# KiCad board microcyte_panel.kicad_pcb (continued)
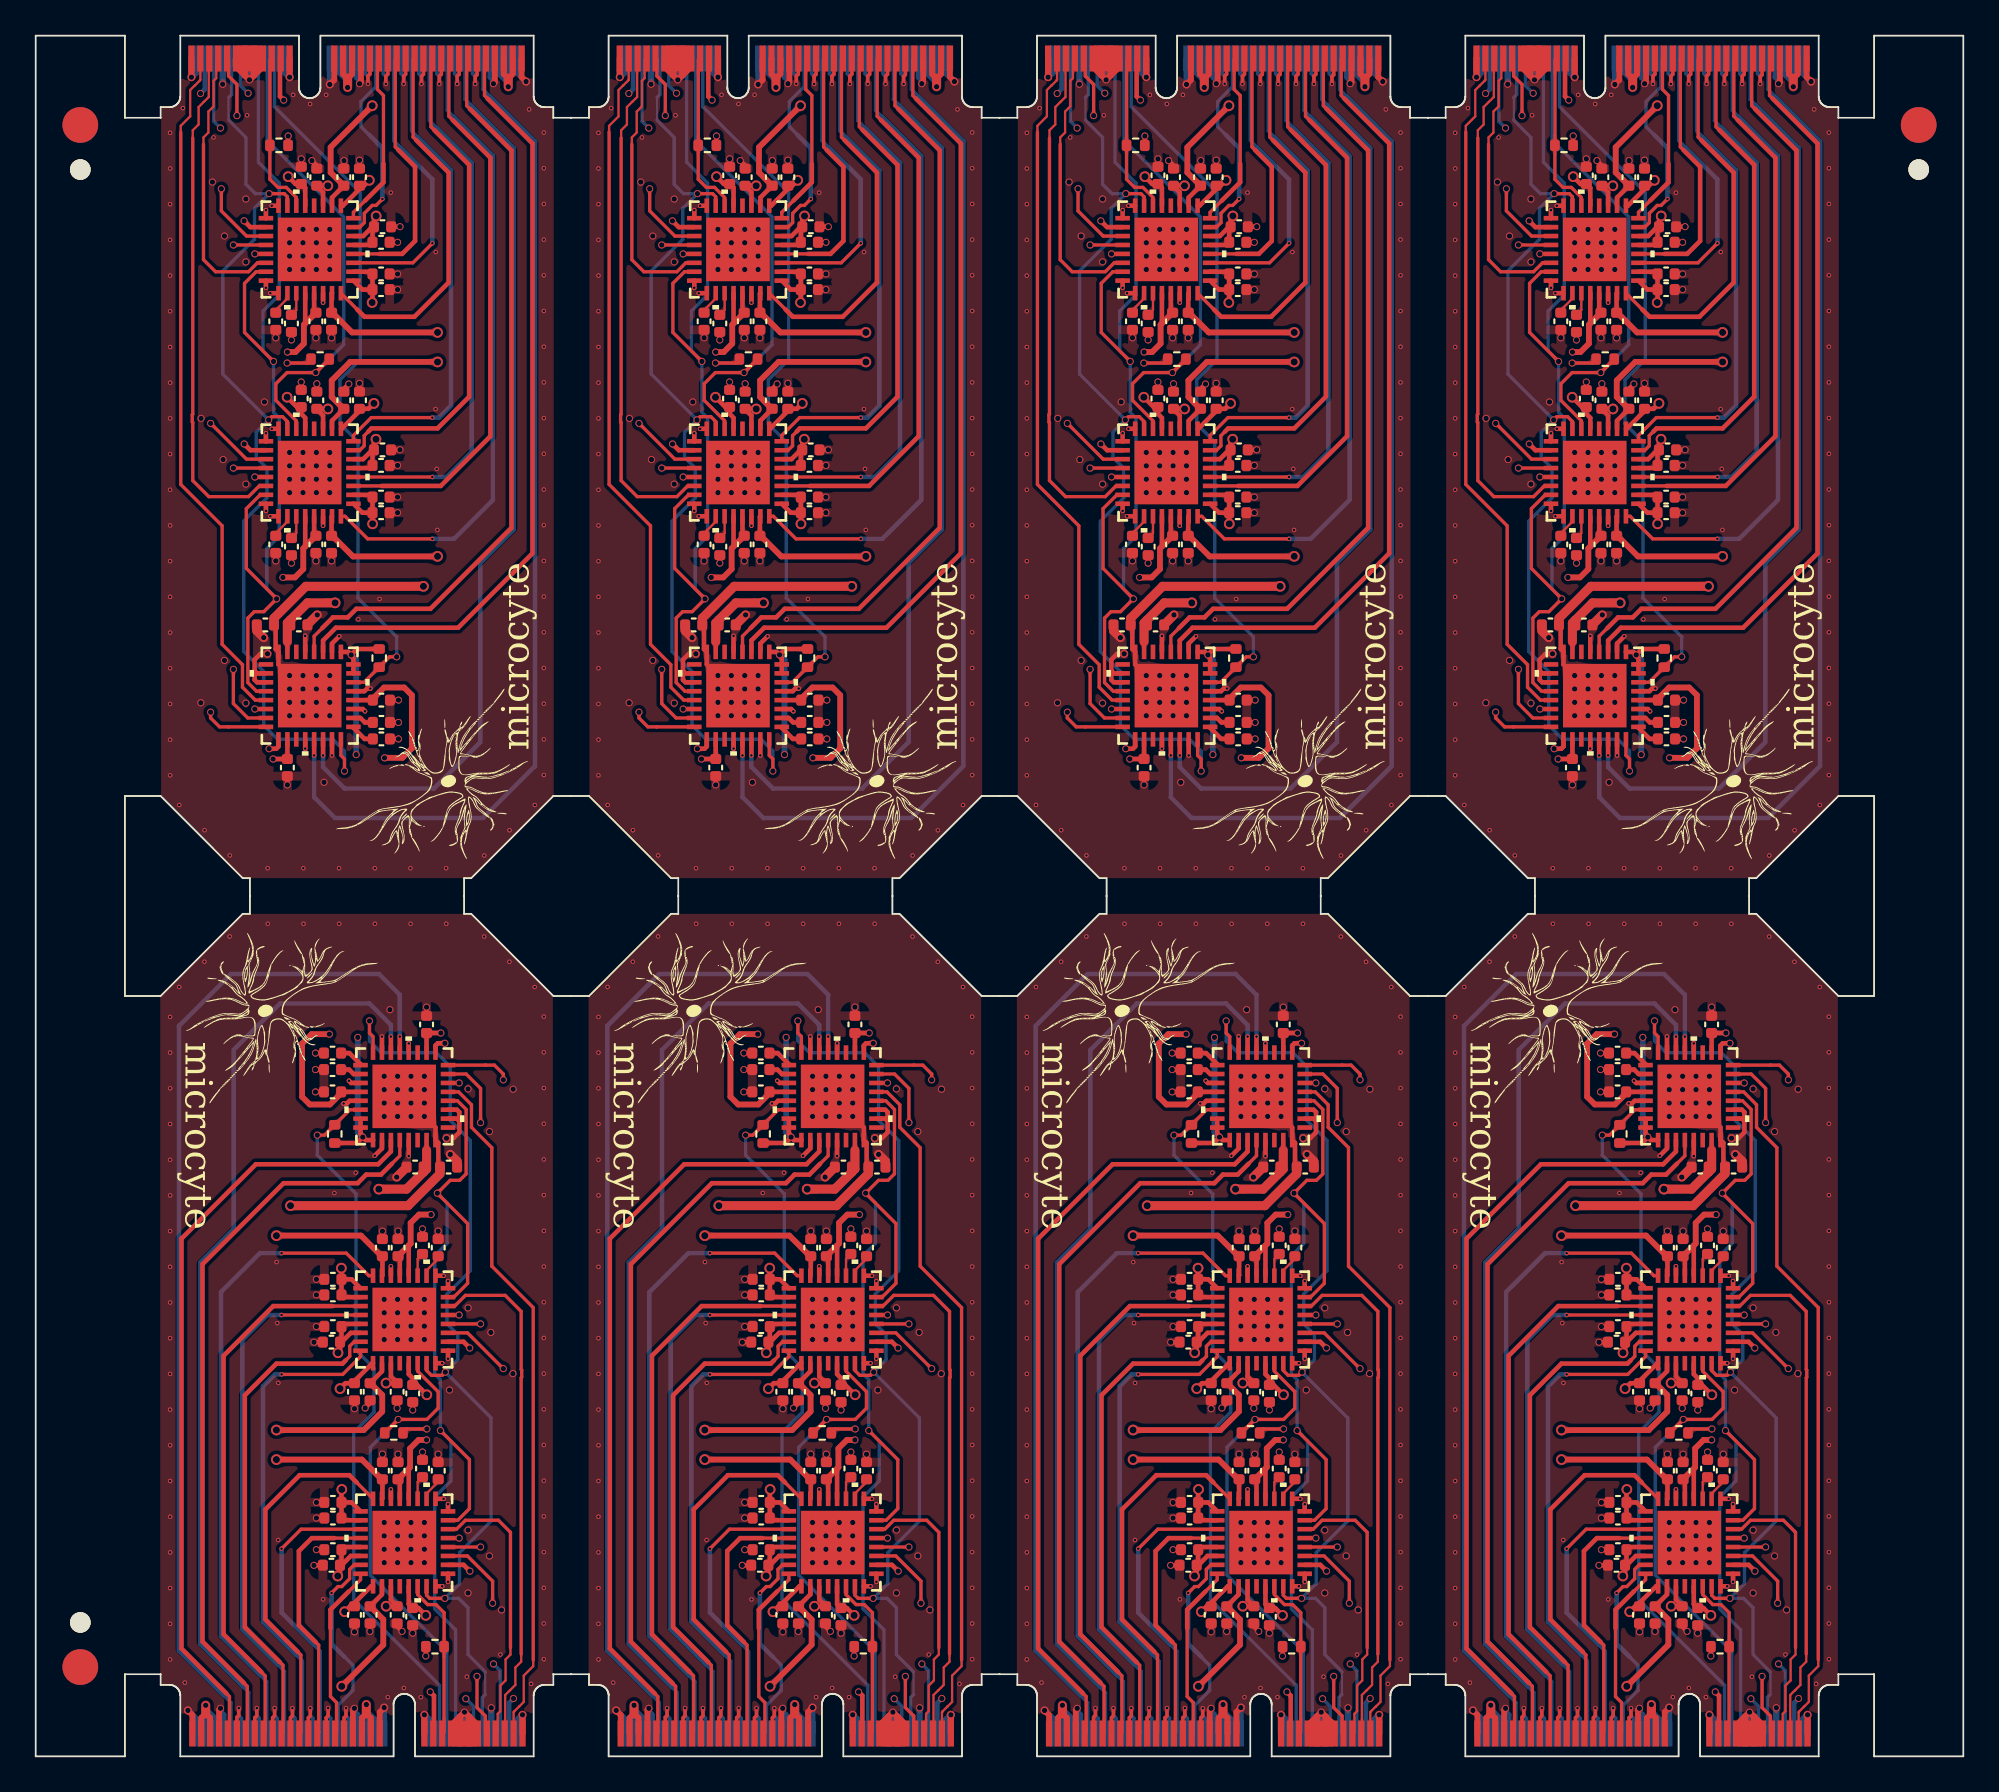
[diagram p0: board, top side]
## Routing (per net, layer and track width the routed paths; a pad name or vN(x,y) marks a point on that pad's centre or on a via; arc(x,y) is an arc through that point) (continued)
Board_0-I2: length 14.5
  Top w0.186: 20.33,89.99 20.15,90.17 20.15,95.05 J1#6.47 ; U1#8.20 19.28,84.18
  Top w0.254: 19.28,84.18 20.53,84.18 21.26,84.9 21.26,89.06 20.33,89.99
Board_0-I3: length 16.2
  Top w0.186: v4(22.23,84.77) 21.13,83.68 U1#8.19
  Bottom w0.186: 20.43,90.15 20.06,90.52 20.06,95.05 J1#6.46
  Bottom w0.254: v4(22.23,84.77) 22.23,88.35 20.43,90.15
Board_0-I4: length 20.8
  Top w0.186: 21.33,90.54 21.15,90.72 21.15,95.05 J1#6.51 ; 18.02,81.05 U1#8.16
  Top w0.254: 18.02,81.05 18.42,80.65 21.22,80.65 23.14,82.57 23.14,88.73 21.33,90.54
Board_0-I5: length 26.9
  Top w0.186: v4(22.23,75) 18.8,75 17.8,74 U2#8.24
  Bottom w0.186: J1#6.50 21.06,95.05 21.06,91.07 21.41,90.72
  Bottom w0.254: 21.41,90.72 23.27,88.86 23.27,75.67 22.6,75 v4(22.23,75)
Board_0-I6: length 27.9
  Top w0.186: 22.33,91.12 22.15,91.3 22.15,95.05 J1#6.55 ; U2#8.23 18.16,73.18 18.41,73.42 18.41,73.99 18.64,74.23
  Top w0.254: 22.33,91.12 24.29,89.16 24.29,76.17 22.52,74.4 18.82,74.4 18.64,74.23
Board_0-I7: length 30.3
  Top w0.186: v4(22.23,71.68) U2#8.20
  Bottom w0.186: 22.44,91.27 22.06,91.65 22.06,95.05 J1#6.54
  Bottom w0.254: v4(22.23,71.68) 23.02,71.68 24.43,73.08 24.43,89.28 22.44,91.27
Board_0-I8: length 31
  Top w0.186: 23.37,91.67 23.15,91.89 23.15,95.05 J1#6.59 ; U2#8.19 19.39,71.17
  Top w0.254: 23.37,91.67 25.48,89.56 25.48,73.96 22.69,71.17 19.39,71.17
Board_0-I9: length 35.8
  Top w0.186: U2#8.16 17.33,69.47 18.6,68.21 v4(22.23,68.21)
  Bottom w0.186: 23.4,91.88 23.06,92.22 23.06,95.05 J1#6.58
  Bottom w0.254: 23.4,91.88 25.62,89.66 25.62,70.39 23.44,68.21 v4(22.23,68.21)
Board_0-LDAC: length 52.6
  Top w0.186: U3#7.12 12.37,59.68 11.89,60.16 11.89,63.77 12.25,64.13 12.78,64.13 v2(13.5,64.85) 13.5,64.86 11.8,66.56 11.8,69.9 12.58,70.68 U2#8.7 ; v2(13.33,78.15) 11.7,79.78 11.7,82.53 12.35,83.18 U1#8.7
  Bottom w0.186: v2(13.5,64.85) 12.95,65.4 12.95,67.66 13.65,68.35 13.65,74.98 13.33,75.3 v2(13.33,78.15) 12.74,78.74 12.74,80.97 13.65,81.88 13.65,88.14 12.48,89.31 J1#6.16
Board_0-MISO: length 42.3
  Top w0.186: v2(11.28,91.92) 11.28,93.67 10.81,94.14 10.81,95.05 J1#6.9 ; v2(11.08,72.18) U2#8.4 ; U3#7.15 11.88,58.18 11.08,58.98 v2(11.08,60.9) ; v2(11.08,84.68) U1#8.4
  In3.Cu w0.186: v2(11.28,91.92) 11.28,87.15 11.08,86.95 v2(11.08,84.68) v2(11.08,72.18) v2(11.08,60.9)
Board_0-MOSI: length 48.9
  Top w0.186: U2#8.3 11.81,72.68 9.81,74.68 v2(9.8,74.68) ; U1#8.3 11.81,85.18 10.4,86.59 v2(10.4,87.83) ; U3#7.16 10.3,57.68 9.8,58.18 v2(9.8,58.5)
  In3.Cu w0.186: v2(10.35,91.23) 10.4,91.18 10.4,87.83 v2(10.4,87.83) 9.8,87.23 v2(9.8,74.68) v2(9.8,58.5)
  Bottom w0.186: J1#6.6 9.98,91.6 v2(10.35,91.23)
Board_0-Net-(U1-REF): length 1.4
  Top w0.127: U1#8.10 14.1,81.68 13.45,81.03 C3.1
Board_0-Net-(U1-REFCOMP): length 1.3
  Top w0.127: U1#8.11 14.6,81.03 C4#7.1
Board_0-Net-(U2-REF): length 1.4
  Top w0.127: U2#8.10 14.1,69.18 13.45,68.53 C5#6.1
Board_0-Net-(U2-REFCOMP): length 1.3
  Top w0.127: C6#2.1 14.6,68.53 U2#8.11
Board_0-Net-(U3-REF): length 1.4
  Top w0.254: U3#7.25 17.8,57.62 18.43,57 C1#8.1
Board_0-Net-(U3-REFCOMP): length 1.2
  Top w0.254: U3#7.26 18.19,58.18 18.44,57.92 C2#4.1
Board_0-SCLK: length 38.7
  Top w0.186: v2(12.28,71.67) 12.9,71.67 ; v2(12.28,58.67) U3#7.14 ; U1#8.5 v2(12.28,84.18)
  In3.Cu w0.186: v2(12.28,58.67) v2(12.28,71.67) v2(12.28,84.18) 12.28,92.8 v2(11.9,93.18)
  Bottom w0.186: J1#6.12 11.48,93.6 v2(11.9,93.18)
Board_0-SS1: length 15.7
  Top w0.127: 9.4,90.31 9.4,90.7 9.68,90.98 9.68,92.15 9.97,92.44 9.97,93.87 10.12,94.02 10.12,95.02 J1#6.7
  Top w0.186: 9.4,90.31 9.4,83.85 10.08,83.18 11.93,83.18 12.43,83.67 U1#8.6 ; 10.15,95.05 J1#6.7
Board_0-SS2: length 28.8
  Top w0.127: J1#6.5 9.7,95.1 9.7,92.97 9.43,92.7 9.42,92.7 9.13,92.4 9.13,91.43 8.8,91.1 8.8,90.66
  Top w0.186: U2#8.6 12.53,71.17 11.93,70.58 9.7,70.58 8.8,71.48 8.8,74.73 8.77,74.76 8.77,75.16 8.8,75.19 8.8,90.66
Board_0-SS3: length 38.7
  Top w0.127: J1#6.3 9.23,93.93 9.19,93.89 9.19,93.88 8.92,93.61 8.91,93.61 8.66,93.36 8.66,91.88 8.13,91.35 8.13,90.99
  Top w0.186: 8.13,90.99 8.13,71.26 10.45,68.94 10.45,62.3 11.59,61.16 11.59,59.9 12.31,59.18 U3#7.13
Board_0-TEMP: length 40.4
  Top w0.186: v2(20.23,61.6) 19.83,61.6 R5.2 18.4,60.18 U3#7.30
  Bottom w0.127: 13.38,95.03 J1#6.20
  Bottom w0.186: v2(20.23,61.6) 20.23,62.72 18.06,64.89 18.06,73.64 17.05,74.65 17.05,77.12 18.19,78.26 18.19,87.61 13.38,92.42 13.38,95.03
Board_0-Vb0: length 43.3
  Top w0.186: 25.33,92.87 25.15,93.05 25.15,95.05 J1#6.67
  Top w0.254: 25.33,92.87 27.84,90.36 27.84,67.4 23.67,63.23 16.82,63.23 16.1,62.52 U3#7.3
Board_0-Vb1: length 41.8
  Top w0.186: 24.34,92.29 24.15,92.48 24.15,95.05 J1#6.63 ; 16.06,63.21 15.6,62.76 U3#7.4
  Top w0.254: 24.34,92.29 26.66,89.97 26.66,68.83 22.12,64.29 17.97,64.29 17.49,63.81 16.66,63.81 16.06,63.21
Board_0-Vb2: length 58.2
  Top w0.254: U3#7.21 v4(15.6,56.07)
  Bottom w0.186: 25.45,93.01 25.06,93.4 25.06,95.05 J1#6.66
  Bottom w0.254: 25.45,93.01 27.98,90.48 27.98,55.48 25.07,52.57 16.77,52.57 15.6,53.74 v4(15.6,56.07)
Board_0-Vb3: length 52.2
  Top w0.254: U3#7.22 v4(16.1,56.07)
  Bottom w0.127: v4(16.1,56.07) 16.1,56.12
  Bottom w0.186: 24.37,92.52 24.06,92.83 24.06,95.05 J1#6.62
  Bottom w0.254: 24.37,92.52 26.78,90.11 26.78,68.73 24.91,66.86 24.91,56.82 22.31,54.22 17.31,54.22 16.1,55.43 v4(16.1,56.07)
Board_1-+5V: length 46.6
  Top w0.186: 37.71,95.11 37.73,95.12
  Top w0.2: v2(38.09,78.06) 39.21,78.06 R1#5.1 ; v2(38.15,90.78) 38.14,90.77 R3#4.1
  Top w0.254: U3#8.31 U3#8.32 41.8,61.52 41.68,61.64 v2(41.68,61.71) ; U3#8.17 37.6,56.58 37.48,56.45 v2(37.08,56.45) ; 41.1,61.88 U3#8.1 41.51,61.88 v2(41.68,61.71) ; v2(41.68,61.71) 42.01,62.04 R5#6.1 ; 41.8,59.17 C30#4.1 42.89,59.19 ; U1#7.2 36.03,85.68 v2(35.68,86.03) ; v1(38.09,76.14) 38.09,76.14 38.64,75.59 C26#4.1 38.88,75.21 39.1,74.99 U2#5.29 ; U2#5.12 39.1,67.78 ; v2(37.9,92.79) 37.69,93 37.69,95.09 37.71,95.11 ; U1#7.12 39.1,80.28 ; v2(35.68,73.53) 36.03,73.18 U2#5.2 ; 39.71,68.38 39.6,68.49 U2#5.13 ; 39.71,80.88 39.6,80.99 U1#7.13 ; U1#7.29 39.1,87.87 C16#3.1 38.55,88.09 v1(38.15,88.5) ; v2(37.3,55.88) 38.1,55.88 U3#8.18
  Top w0.325: C25#8.1 38.99,67.67 38.99,66.52 38.53,66.05 v2(37.85,66.05) ; C15#4.1 39.03,80.21 39.03,79.15 38.55,78.68 v2(38.1,78.68) ; 42.89,59.19 42.89,59.25 43.52,59.88 44.65,59.88 45.08,59.45 45.08,56.47 44.55,55.94 v2(43.55,55.94)
  Bottom w0.254: v2(33.23,93.16) 33.48,93.4 J1#8.4
  Bottom w0.325: v2(41.96,56.12) 41.96,61.43 v2(41.68,61.71)
Board_1-+10V: length 36.2
  Top w0.2: U3#8.7 38.1,62.45
  Top w0.254: 42.14,87.92 C11#7.1 42.39,88 v1(42.69,88.3) ; U1#7.21 42.72,84.68 ; C17#4.1 C18#6.1 42.75,70.68 U2#5.18 ; C17#4.1 42.3,69.68 U2#5.17 ; C17#4.1 42.87,69.06 v1(42.88,69.05) ; U2#5.27 40.1,75.13 39.73,75.5 ; U1#7.27 40.1,87.63 39.73,88 ; C7#2.1 42.87,81.47 v1(42.85,81.45) ; C7#2.1 C8#3.1 42.75,83.18 U1#7.18 ; C7#2.1 42.3,82.18 U1#7.17 ; C12#4.1 40.36,88 v1(40.37,87.99) ; C9#8.1 42.87,85.61 C10#3.1 42.95,86.23 43.03,86.3 v1(43.08,86.3) ; v1(40.37,75.49) 40.36,75.5 C22#4.1 ; U1#7.25 41.21,86.88 42.14,87.8 42.14,87.91 ; 41.8,85.18 42.35,85.17 42.87,85.69 ; v1(43.06,73.79) 43.06,73.69 42.95,73.58 C20#8.1 42.87,73.11 C19#4.1 ; U2#5.22 42.35,72.68 42.87,73.2 ; U2#5.21 42.72,72.18 42.87,72.33 ; v1(42.95,75.8) 42.65,75.5 C21#7.1 42.14,75.37 41.14,74.38 U2#5.25
  Top w0.325: 41.73,95.12 41.73,94.25 41.48,94 41.23,94.25 41.23,95.12
  Top w0.508: 38.26,63.66 38.1,63.5 38.1,62.45 ; 38.26,63.66 39.23,64.62 v1(40.78,64.62) ; 38.26,63.66 C27#4.1 ; v2(41.48,93.5) 41.48,94
  In2.Cu w0.508: v2(41.48,93.5) 41.48,93
  Bottom w0.325: J1#8.34 40.98,94.38 41.48,93.88 v2(41.48,93.5) J1#8.36
Board_1--10V: length 51.2
  Top w0.254: U2#5.15 40.58,69.45 40.58,68.38 ; U2#5.26 40.6,74.83 C23#8.1 41.25,75.5 ; U1#7.26 40.6,87.33 C13#8.1 ; v2(38.23,60.55) 37.6,61.17 U3#8.8 37.44,62.03 37.44,63.29 C28#3.1 ; U1#7.15 40.58,81.95 C14.1 40.62,80.88 ; v1(46.52,67.23) 46.51,67.23 ; 40.62,68.38 C24#2.1 ; v1(46.52,78.12) 46.51,78.12
  Top w0.325: 50.73,95.12 50.73,94.25 50.48,94 50.23,94.25 50.23,95.12 ; 40.62,68.38 41.78,67.23 46.51,67.23 ; 41.25,75.5 40.59,76.16 40.59,77.09 41.63,78.12 46.51,78.12 ; 40.62,80.88 41.73,79.78 v1(46.52,79.78) ; v1(42.86,92.48) 40.53,90.15 40.53,88.74 C13#8.1
  Top w0.508: C28#3.1 37.35,63.76 39.14,65.55 v1(45.73,65.55) ; v2(50.48,93.54) 50.48,94
  In2.Cu w0.508: v2(50.48,93.54) 50.48,93.11
  Bottom w0.325: J1#8.72 v2(50.48,93.54) 50.48,93.77 49.98,94.27 J1#8.70
  vias: v2(38.23,59.8) v2(38.23,59.05) v2(38.23,58.3) v2(38.98,60.55) v2(38.98,59.8) v2(38.98,59.05) v2(38.98,58.3) v2(39.73,60.55) v2(39.73,59.8) v2(39.73,59.05) v2(39.73,58.3) v2(40.48,60.55) v2(40.48,59.8) v2(40.48,59.05) v2(40.48,58.3)
Board_1-CLR: length 53.8
  Top w0.186: U1#7.31 38.1,87.38 37.93,87.55 v2(37.08,87.55) ; v2(37.05,74.88) 37.23,75.05 37.83,75.05 38.1,74.78 U2#5.31 ; U3#8.24 41.1,56.08 41.3,55.88 v2(41.3,55.2)
  Bottom w0.127: 34.81,92.94 34.81,91.66
  Bottom w0.186: 34.81,91.66 35.78,90.7 35.78,88.08 36.3,87.55 v2(37.08,87.55) 36.26,86.73 36.26,84.99 34.49,83.22 34.49,77.44 v2(37.05,74.88) 36.36,74.18 36.36,72.77 36.96,72.17 36.96,70.5 35.65,69.2 35.65,61.9 36.78,60.78 36.78,57.76 37.56,56.98 40.65,56.98 41.3,56.33 v2(41.3,55.2) ; J1#8.10 34.98,93.1 34.81,92.94
Board_1-FAULT1: length 9.2
  Top w0.186: 37.23,95.12 37.13,95.03 37.13,90.26 R3#4.2 37.12,88.36 37.58,87.9 38.04,87.9 38.6,87.34 U1#7.30
Board_1-FAULT2: length 26.6
  Top w0.186: U2#5.30 38.6,74.83 37.46,75.97 37.46,76.9 38.08,77.53 v2(39.69,77.53)
  Top w0.2: v2(39.69,77.53) R1#5.2
  Bottom w0.186: J1#8.18 36.98,90.53 41.26,86.25 41.26,79.09 v2(39.69,77.53)
Board_1-GND: length 72.1
  Top w0.127: U1#7.9 37.59,81.97 ; U2#5.9 37.59,69.47
  Top w0.2: v4(43.62,93.7) 43.62,94.13 43.73,94.24 43.73,95.12 ; 48.73,95.12 48.73,94.21 48.63,94.11 v4(48.63,93.7) ; 44.73,95.12 44.73,94.24 44.62,94.13 v4(44.62,93.7) ; v4(42.62,93.71) 42.62,94.14 42.73,94.25 42.73,95.13 ; v4(45.62,93.7) 45.62,94.13 45.73,94.24 45.73,95.12 ; v4(46.62,93.7) 46.62,94.13 46.73,94.24 46.73,95.12 ; 47.73,95.12 47.73,94.24 47.62,94.13 v4(47.62,93.7)
  Top w0.254: U3#8.23 v4(40.6,56.07) ; v4(42.75,59.82) 42.57,59.82 42.42,59.67 41.8,59.67 ; U3#8.5 v4(39.1,62.77) ; C23#8.2 41.27,76.61 v2(41.54,76.89) ; U3#8.20 v4(39.1,56.46) ; U3#8.27 42.33,58.67 v4(42.45,58.55) ; v4(36.9,69.78) 36.9,70.17 U2#5.8 ; v4(36.9,74.12) 36.9,73.68 U2#5.1 ; C5#3.2 v2(37.45,66.98) ; 41.27,89.39 C13#8.2 ; C16#3.2 v2(38.88,89.5) ; v2(40.58,79.47) C14.2 ; 43.83,73.2 v2(44.41,73.2) ; v2(39.48,89.4) 39.75,89.13 C12#4.2 ; v2(42.14,89.43) C11#7.2 ; 36.27,60.82 36.41,60.68 U3#8.10 ; 36.27,60.82 36.27,61.44 36.6,61.77 v3(36.99,61.77) ; 36.27,60.82 36.27,60.31 36.4,60.18 U3#8.11 ; 40.58,67.42 v2(40.58,66.98) ; U1#7.1 36.9,86.18 v4(36.9,86.62) ; v4(40.1,68.95) U2#5.14 ; C22#4.2 v2(39.75,76.9) ; C1#2.2 v2(44.33,57) ; C17#4.2 v2(44.28,69.68) ; C9#8.2 v2(44.28,84.83) ; v4(37.23,86.88) 37.6,86.88 U1#7.32 ; U3#8.2 40.6,62.35 v4(41.01,62.75) ; C19#4.2 v2(44.28,72.33) ; C2.2 v2(44.33,57.93) ; v4(36.9,82.28) 36.9,82.67 U1#7.8 ; C18#6.2 v2(44.28,70.55) ; C6#4.2 v2(38.33,66.85) ; C25#8.2 v2(39.7,66.98) ; v4(37.23,74.38) 37.6,74.38 U2#5.32 ; C3#8.2 v2(37.45,79.48) ; 43.83,85.7 v2(44.41,85.7) ; v4(40.1,81.45) U1#7.14 ; C15#4.2 v2(39.7,79.48) ; v4(37.15,81.97) U1#7.9 ; C8#3.2 v2(44.28,83.05) ; C27#4.2 39.22,63.4 ; v4(37.15,69.47) U2#5.9 ; C30#4.2 v2(44.33,59.17) ; C4#6.2 v2(38.33,79.35) ; C26#4.2 v2(38.88,77) ; C7#2.2 v2(44.28,82.18) ; 38.1,54.91 v2(38.1,54.43) ; v2(42.14,76.93) C21#7.2
  Top w0.325: v3(40.48,93.67) 40.48,93.67 40.73,93.92 40.73,95.13 ; 51.22,95.12 51.22,94.09 v3(51.48,93.83) ; 49.73,95.12 49.73,93.79 v2(49.65,93.71) ; 42.23,95.12 42.23,93.79 v2(42.15,93.71)
  Top w0.35: 38.23,95.12 v3(38.23,94.08) ; 32.73,95.12 v3(32.73,94.08) ; 36.23,94.18 36.73,94.68 36.73,95.12 ; 36.23,94.18 v2(35.98,93.93) 35.73,94.18 ; 36.23,94.18 36.23,95.12 ; 35.73,94.18 35.23,94.68 35.23,95.12 ; 35.73,94.18 35.73,95.12
  Top w0.508: C28#3.2 36.39,63.06 v2(36.78,62.68) ; 39.22,63.4 v3(39.78,63.95)
  Bottom w0.186: v3(51.48,93.83) 51.47,93.83
  Bottom w0.2: v4(44.62,93.7) 44.62,94.13 44.48,94.27 J1#8.48 ; J1#8.60 47.48,94.27 47.62,94.13 v4(47.62,93.7) ; v4(46.62,93.7) 46.62,94.13 46.48,94.27 J1#8.56 ; 42.48,95.13 42.48,94.28 42.62,94.14 v4(42.62,93.71) ; v4(43.62,93.7) 43.62,94.13 43.48,94.27 J1#8.44 ; v4(45.62,93.7) 45.62,94.13 45.48,94.27 J1#8.52 ; v4(48.63,93.7) 48.63,94.13 48.48,94.28 J1#8.64
  Bottom w0.325: 51.47,93.83 50.97,94.33 50.97,95.12 ; v2(42.15,93.71) 42.15,93.91 41.98,94.08 J1#8.38 ; v2(49.65,93.71) 49.65,93.91 49.48,94.08 J1#8.68 ; 40.48,95.13 v3(40.48,93.67)
  Bottom w0.35: v3(38.23,94.08) 37.98,94.33 J1#8.22 ; J1#8.2 32.98,94.33 v3(32.73,94.08) ; v2(35.98,93.93) J1#8.14 ; J1#8.8 v2(34.48,93.68)
  vias: v2(33.27,74.96) v2(33.25,59.03) v2(33.9,88.2) v2(34.5,72.65) v2(34.58,85.18) v2(34.58,61.4) v2(35.78,87.25) v2(35.78,83.73) v2(35.78,71.28) v2(35.78,59.01) v2(36.82,75.88) v2(38.23,85.55) v2(38.23,84.8) v2(38.23,84.05) v2(38.23,83.3) v2(38.23,73.05) v2(38.23,72.3) v2(38.23,71.55) v2(38.23,70.8) v2(38.98,85.55) v2(38.98,84.8) v2(38.98,84.05) v2(38.98,83.3) v2(38.98,73.05) v2(38.98,72.3) v2(38.98,71.55) v2(38.98,70.8) v2(39.73,85.55) v2(39.73,84.8) v2(39.73,84.05) v2(39.73,83.3) v2(39.73,73.05) v2(39.73,72.3) v2(39.73,71.55) v2(39.73,70.8) v2(40.16,54.57) v2(40.48,85.55) v2(40.48,84.8) v2(40.48,84.05) v2(40.48,83.3) v2(40.48,73.05) v2(40.48,72.3) v2(40.48,71.55) v2(40.48,70.8) v2(41.28,89.4) v4(31.53,90.96) v4(31.53,88.96) v4(31.53,86.96) v4(31.53,84.96) v4(31.53,82.96) v4(31.53,80.96) v4(31.53,78.96) v4(31.53,76.96) v4(31.53,74.96) v4(31.53,72.96) v4(31.53,70.96) v4(31.53,68.96) v4(31.53,66.96) v4(31.53,64.96) v4(31.53,62.96) v4(31.53,60.96) v4(31.53,58.96) v4(31.53,56.96) v4(31.53,54.96) v4(32.05,53.3) v4(32.25,92.34) v4(33.46,51.89) v4(33.97,90.7) v4(34.87,50.47) v4(35.85,91.94) v4(37,49.75) v4(38.43,93.09) v4(39,49.75) v4(39.38,92.58) v4(40.28,93.09) v4(41,49.75) v4(42.08,63.7) v4(43,49.75) v4(43.27,64.84) v4(43.9,87.61) v4(45,49.75) v4(46.41,84.28) v4(46.41,75.48) v4(46.47,72.13) v4(46.51,68.71) v4(47,49.75) v4(49.13,50.47) v4(50.55,51.88) v4(51.65,92.27) v4(51.96,53.3) v4(52.47,90.98) v4(52.47,88.98) v4(52.47,86.98) v4(52.47,84.98) v4(52.47,82.98) v4(52.47,80.98) v4(52.47,78.98) v4(52.47,76.98) v4(52.47,74.98) v4(52.47,72.98) v4(52.47,70.98) v4(52.47,68.98) v4(52.47,66.98) v4(52.47,64.98) v4(52.47,62.98) v4(52.47,60.98) v4(52.47,58.98) v4(52.47,56.98) v4(52.47,54.98)
Board_1-I0: length 9.8
  Top w0.186: U1#7.24 41.8,86.5 42.46,87.16 ; 43.49,89.21 43.49,93.05 43.15,93.39 43.15,95.05 43.23,95.12
  Top w0.254: 43.49,89.21 43.49,88.19 42.46,87.16
Board_1-I1: length 11.3
  Top w0.186: U1#7.23 42.16,85.68 42.41,85.93 42.41,86.45 42.85,86.89 43.07,86.89 v4(43.43,87.25)
  Bottom w0.186: 42.69,90.84 42.23,91.3 42.23,92.71 43.06,93.54 43.06,95.05 J1#8.42
  Bottom w0.254: v4(43.43,87.25) 43.43,90.1 42.69,90.84
Board_1-I2: length 14.5
  Top w0.186: U1#7.20 43.28,84.18 ; 44.23,95.12 44.15,95.05 44.15,90.17 44.33,89.99
  Top w0.254: 44.33,89.99 45.26,89.06 45.26,84.9 44.53,84.18 43.28,84.18
Board_1-I3: length 16.2
  Top w0.186: U1#7.19 45.13,83.68 v4(46.23,84.77)
  Bottom w0.186: J1#8.46 44.06,95.05 44.06,90.52 44.43,90.15
  Bottom w0.254: v4(46.23,84.77) 46.23,88.35 44.43,90.15
Board_1-I4: length 20.8
  Top w0.186: 45.23,95.12 45.15,95.05 45.15,90.72 45.33,90.54 ; 42.02,81.05 U1#7.16
  Top w0.254: 45.33,90.54 47.14,88.73 47.14,82.57 45.22,80.65 42.42,80.65 42.02,81.05
Board_1-I5: length 26.9
  Top w0.186: v4(46.23,75) 42.8,75 41.8,74 U2#5.24
  Bottom w0.186: 45.41,90.72 45.06,91.07 45.06,95.05 J1#8.50
  Bottom w0.254: v4(46.23,75) 46.6,75 47.27,75.67 47.27,88.86 45.41,90.72
Board_1-I6: length 27.9
  Top w0.186: U2#5.23 42.16,73.18 42.41,73.42 42.41,73.99 42.64,74.23 ; 46.23,95.12 46.15,95.05 46.15,91.3 46.33,91.12
  Top w0.254: 42.64,74.23 42.82,74.4 46.52,74.4 48.29,76.17 48.29,89.16 46.33,91.12
Board_1-I7: length 30.3
  Top w0.186: v4(46.23,71.68) U2#5.20
  Bottom w0.186: J1#8.54 46.06,95.05 46.06,91.65 46.44,91.27
  Bottom w0.254: v4(46.23,71.68) 47.02,71.68 48.43,73.08 48.43,89.28 46.44,91.27
Board_1-I8: length 31
  Top w0.186: U2#5.19 43.39,71.17 ; 47.37,91.67 47.15,91.89 47.15,95.05 47.23,95.12
  Top w0.254: 47.37,91.67 49.48,89.56 49.48,73.96 46.69,71.17 43.39,71.17
Board_1-I9: length 35.8
  Top w0.186: v4(46.23,68.21) 42.6,68.21 41.33,69.47 U2#5.16
  Bottom w0.186: 47.4,91.88 47.06,92.22 47.06,95.05 J1#8.58
  Bottom w0.254: 47.4,91.88 49.62,89.66 49.62,70.39 47.44,68.21 v4(46.23,68.21)
Board_1-LDAC: length 52.6
  Top w0.186: U3#8.12 36.37,59.68 35.89,60.16 35.89,63.77 36.25,64.13 36.78,64.13 v2(37.5,64.85) 37.5,64.86 35.8,66.56 35.8,69.9 36.58,70.68 U2#5.7 ; U1#7.7 36.35,83.18 35.7,82.53 35.7,79.78 v2(37.33,78.15)
  Bottom w0.186: v2(37.5,64.85) 36.95,65.4 36.95,67.66 37.65,68.35 37.65,74.98 37.33,75.3 v2(37.33,78.15) 36.74,78.74 36.74,80.97 37.65,81.88 37.65,88.14 36.48,89.31 J1#8.16
Board_1-MISO: length 42.3
  Top w0.186: U3#8.15 35.88,58.18 35.08,58.98 v2(35.08,60.9) ; v2(35.08,84.68) U1#7.4 ; v2(35.08,72.18) U2#5.4 ; 34.73,95.12 34.81,95.05 34.81,94.14 35.28,93.67 v2(35.28,91.92)
  In3.Cu w0.186: v2(35.28,91.92) 35.28,87.15 35.08,86.95 v2(35.08,84.68) v2(35.08,72.18) v2(35.08,60.9)
Board_1-MOSI: length 48.9
  Top w0.186: v2(33.8,74.68) 33.81,74.68 35.81,72.68 U2#5.3 ; v2(34.4,87.83) 34.4,86.59 35.81,85.18 U1#7.3 ; U3#8.16 34.3,57.68 33.8,58.18 v2(33.8,58.5)
  In3.Cu w0.186: v2(33.8,58.5) v2(33.8,74.68) 33.8,87.23 v2(34.4,87.83) 34.4,87.83 34.4,91.18 v2(34.35,91.23)
  Bottom w0.186: v2(34.35,91.23) 33.98,91.6 J1#8.6
Board_1-Net-(U1-REF): length 1.4
  Top w0.127: U1#7.10 38.1,81.68 37.45,81.03 C3#8.1
Board_1-Net-(U1-REFCOMP): length 1.3
  Top w0.127: U1#7.11 38.6,81.03 C4#6.1
Board_1-Net-(U2-REF): length 1.4
  Top w0.127: C5#3.1 37.45,68.53 38.1,69.18 U2#5.10
Board_1-Net-(U2-REFCOMP): length 1.3
  Top w0.127: C6#4.1 38.6,68.53 U2#5.11
Board_1-Net-(U3-REF): length 1.4
  Top w0.254: C1#2.1 42.43,57 41.8,57.62 U3#8.25
Board_1-Net-(U3-REFCOMP): length 1.2
  Top w0.254: U3#8.26 42.19,58.18 42.44,57.92 C2.1
Board_1-SCLK: length 38.7
  Top w0.186: U1#7.5 v2(36.28,84.18) ; v2(36.28,71.67) 36.9,71.67 ; v2(36.28,58.67) U3#8.14
  In3.Cu w0.186: v2(35.9,93.18) 36.28,92.8 v2(36.28,84.18) v2(36.28,71.67) v2(36.28,58.67)
  Bottom w0.186: J1#8.12 35.48,93.6 v2(35.9,93.18)
Board_1-SS1: length 15.7
  Top w0.127: 34.23,95.12 34.12,95.02 34.12,94.02 33.97,93.87 33.97,92.44 33.68,92.15 33.68,90.98 33.4,90.7 33.4,90.31
  Top w0.186: 34.15,95.05 34.23,95.12 ; U1#7.6 36.43,83.67 35.93,83.18 34.08,83.18 33.4,83.85 33.4,90.31
Board_1-SS2: length 28.8
  Top w0.127: 33.73,95.12 33.7,95.1 33.7,92.97 33.43,92.7 33.42,92.7 33.13,92.4 33.13,91.43 32.8,91.1 32.8,90.66
  Top w0.186: 32.8,90.66 32.8,75.19 32.77,75.16 32.77,74.76 32.8,74.73 32.8,71.48 33.7,70.58 35.93,70.58 36.53,71.17 U2#5.6
Board_1-SS3: length 38.7
  Top w0.127: 32.13,90.99 32.13,91.35 32.66,91.88 32.66,93.36 32.91,93.61 32.92,93.61 33.19,93.88 33.19,93.89 33.23,93.93 33.23,95.12
  Top w0.186: 32.13,90.99 32.13,71.26 34.45,68.94 34.45,62.3 35.59,61.16 35.59,59.9 36.31,59.18 U3#8.13
Board_1-TEMP: length 40.4
  Top w0.186: v2(44.23,61.6) 43.83,61.6 R5#6.2 42.4,60.18 U3#8.30
  Bottom w0.127: 37.38,95.03 J1#8.20
  Bottom w0.186: 37.38,95.03 37.38,92.42 42.19,87.61 42.19,78.26 41.05,77.12 41.05,74.65 42.06,73.64 42.06,64.89 44.23,62.72 v2(44.23,61.6)
Board_1-Vb0: length 43.3
  Top w0.186: 49.33,92.87 49.15,93.05 49.15,95.05 49.23,95.12
  Top w0.254: 49.33,92.87 51.84,90.36 51.84,67.4 47.67,63.23 40.82,63.23 40.1,62.52 U3#8.3
Board_1-Vb1: length 41.8
  Top w0.186: 40.06,63.21 39.6,62.76 U3#8.4 ; 48.34,92.29 48.15,92.48 48.15,95.05 48.23,95.12
  Top w0.254: 40.06,63.21 40.66,63.81 41.49,63.81 41.97,64.29 46.12,64.29 50.66,68.83 50.66,89.97 48.34,92.29
Board_1-Vb2: length 58.2
  Top w0.254: U3#8.21 v4(39.6,56.07)
  Bottom w0.186: J1#8.66 49.06,95.05 49.06,93.4 49.45,93.01
  Bottom w0.254: v4(39.6,56.07) 39.6,53.74 40.77,52.57 49.07,52.57 51.98,55.48 51.98,90.48 49.45,93.01
Board_1-Vb3: length 52.2
  Top w0.254: U3#8.22 v4(40.1,56.07)
  Bottom w0.127: v4(40.1,56.07) 40.1,56.12
  Bottom w0.186: 48.37,92.52 48.06,92.83 48.06,95.05 J1#8.62
  Bottom w0.254: 48.37,92.52 50.78,90.11 50.78,68.73 48.91,66.86 48.91,56.82 46.31,54.22 41.31,54.22 40.1,55.43 v4(40.1,56.07)
Board_2-+5V: length 46.6
  Top w0.186: 61.71,95.11 61.73,95.12
  Top w0.2: R3.1 62.14,90.77 v2(62.15,90.78) ; R1#8.1 63.21,78.06 v2(62.09,78.06)
  Top w0.254: v1(62.15,88.5) 62.55,88.09 C16#6.1 63.1,87.87 U1#5.29 ; U2#7.12 63.1,67.78 ; U1#5.2 60.03,85.68 v2(59.68,86.03) ; 63.71,68.38 63.6,68.49 U2#7.13 ; 61.71,95.11 61.69,95.09 61.69,93 v2(61.9,92.79) ; R5#7.1 66.01,62.04 v2(65.68,61.71) ; U1#5.13 63.6,80.99 63.71,80.88 ; v2(61.08,56.45) 61.48,56.45 61.6,56.58 U3#6.17 ; 65.1,61.88 U3#6.1 65.51,61.88 v2(65.68,61.71) ; v2(59.68,73.53) 60.03,73.18 U2#7.2 ; 66.89,59.19 C30.1 65.8,59.17 ; U3#6.31 U3#6.32 65.8,61.52 65.68,61.64 v2(65.68,61.71) ; U2#7.29 63.1,74.99 62.88,75.21 C26#5.1 62.64,75.59 62.09,76.14 v1(62.09,76.14) ; v2(61.3,55.88) 62.1,55.88 U3#6.18 ; U1#5.12 63.1,80.28
  Top w0.325: C25#7.1 62.99,67.67 62.99,66.52 62.53,66.05 v2(61.85,66.05) ; v2(62.1,78.68) 62.55,78.68 63.03,79.15 63.03,80.21 C15#7.1 ; 66.89,59.19 66.89,59.25 67.52,59.88 68.65,59.88 69.08,59.45 69.08,56.47 68.55,55.94 v2(67.55,55.94)
  Bottom w0.254: J1.4 57.48,93.4 v2(57.23,93.16)
  Bottom w0.325: v2(65.96,56.12) 65.96,61.43 v2(65.68,61.71)
Board_2-+10V: length 36.2
  Top w0.2: U3#6.7 62.1,62.45
  Top w0.254: U2#7.21 66.72,72.18 66.87,72.33 ; 66.87,73.2 66.35,72.68 U2#7.22 ; U2#7.25 65.14,74.38 66.14,75.37 66.14,75.42 C21#2.1 66.65,75.5 v1(66.95,75.8) ; U2#7.27 64.1,75.13 63.73,75.5 ; C17#3.1 C18#7.1 66.75,70.68 U2#7.18 ; C17#3.1 66.3,69.68 U2#7.17 ; C17#3.1 66.87,69.06 v1(66.88,69.05) ; 63.73,88 64.1,87.63 U1#5.27 ; C22.1 64.36,75.5 v1(64.37,75.49) ; U1#5.25 65.21,86.88 66.14,87.8 66.14,87.91 ; C12#8.1 64.36,88 v1(64.37,87.99) ; 66.87,85.69 66.35,85.17 65.8,85.18 ; U1#5.17 66.3,82.18 C7#8.1 ; U1#5.21 66.72,84.68 ; 66.14,87.92 C11.1 66.39,88 v1(66.69,88.3) ; v1(66.85,81.45) 66.87,81.47 C7#8.1 ; C7#8.1 C8#4.1 66.75,83.18 U1#5.18 ; C19#3.1 66.87,73.11 C20#3.1 66.95,73.58 67.06,73.69 v1(67.06,73.79) ; v1(67.08,86.3) 67.03,86.3 66.95,86.23 C10#8.1 66.87,85.61 C9#4.1
  Top w0.325: 65.23,95.12 65.23,94.25 65.48,94 65.73,94.25 65.73,95.12
  Top w0.508: 62.26,63.66 C27.1 ; 62.26,63.66 63.23,64.62 v1(64.78,64.62) ; 62.26,63.66 62.1,63.5 62.1,62.45 ; v2(65.48,93.5) 65.48,94
  In2.Cu w0.508: v2(65.48,93.5) 65.48,93
  Bottom w0.325: J1.34 64.98,94.38 65.48,93.88 v2(65.48,93.5) J1.36
Board_2--10V: length 51.2
  Top w0.254: 64.58,68.38 64.58,69.45 U2#7.15 ; U2#7.26 64.6,74.83 C23#2.1 65.25,75.5 ; 64.62,68.38 C24#5.1 ; v2(62.23,60.55) 61.6,61.17 U3#6.8 61.44,62.03 61.44,63.29 C28#5.1 ; U1#5.15 64.58,81.95 C14#5.1 64.62,80.88 ; v1(70.52,67.23) 70.51,67.23 ; C13#6.1 64.6,87.33 U1#5.26 ; v1(70.52,78.12) 70.51,78.12
  Top w0.325: 64.62,68.38 65.78,67.23 70.51,67.23 ; 74.73,95.12 74.73,94.25 74.48,94 74.23,94.25 74.23,95.12 ; 70.51,78.12 65.63,78.12 64.59,77.09 64.59,76.16 65.25,75.5 ; 64.62,80.88 65.73,79.78 v1(70.52,79.78) ; C13#6.1 64.53,88.74 64.53,90.15 v1(66.86,92.48)
  Top w0.508: v1(69.73,65.55) 63.14,65.55 61.35,63.76 C28#5.1 ; v2(74.48,93.54) 74.48,94
  In2.Cu w0.508: v2(74.48,93.54) 74.48,93.11
  Bottom w0.325: J1.72 v2(74.48,93.54) 74.48,93.77 73.98,94.27 J1.70
  vias: v2(62.23,59.8) v2(62.23,59.05) v2(62.23,58.3) v2(62.98,60.55) v2(62.98,59.8) v2(62.98,59.05) v2(62.98,58.3) v2(63.73,60.55) v2(63.73,59.8) v2(63.73,59.05) v2(63.73,58.3) v2(64.48,60.55) v2(64.48,59.8) v2(64.48,59.05) v2(64.48,58.3)
Board_2-CLR: length 53.8
  Top w0.186: U3#6.24 65.1,56.08 65.3,55.88 v2(65.3,55.2) ; U1#5.31 62.1,87.38 61.93,87.55 v2(61.08,87.55) ; v2(61.05,74.88) 61.23,75.05 61.83,75.05 62.1,74.78 U2#7.31
  Bottom w0.127: 58.81,92.94 58.81,91.66
  Bottom w0.186: 58.81,91.66 59.78,90.7 59.78,88.08 60.3,87.55 v2(61.08,87.55) 60.26,86.73 60.26,84.99 58.49,83.22 58.49,77.44 v2(61.05,74.88) 60.36,74.18 60.36,72.77 60.96,72.17 60.96,70.5 59.65,69.2 59.65,61.9 60.78,60.78 60.78,57.76 61.56,56.98 64.65,56.98 65.3,56.33 v2(65.3,55.2) ; J1.10 58.98,93.1 58.81,92.94
Board_2-FAULT1: length 9.2
  Top w0.186: 61.23,95.12 61.13,95.03 61.13,90.26 R3.2 61.12,88.36 61.58,87.9 62.04,87.9 62.6,87.34 U1#5.30
Board_2-FAULT2: length 26.6
  Top w0.186: v2(63.69,77.53) 62.08,77.53 61.46,76.9 61.46,75.97 62.6,74.83 U2#7.30
  Top w0.2: v2(63.69,77.53) R1#8.2
  Bottom w0.186: v2(63.69,77.53) 65.26,79.09 65.26,86.25 60.98,90.53 J1.18
Board_2-GND: length 72.1
  Top w0.127: U2#7.9 61.59,69.47 ; U1#5.9 61.59,81.97
  Top w0.2: v4(69.62,93.7) 69.62,94.13 69.73,94.24 69.73,95.12 ; v4(70.62,93.7) 70.62,94.13 70.73,94.24 70.73,95.12 ; 67.73,95.12 67.73,94.24 67.62,94.13 v4(67.62,93.7) ; 66.73,95.13 66.73,94.25 66.62,94.14 v4(66.62,93.71) ; v4(72.63,93.7) 72.63,94.11 72.73,94.21 72.73,95.12 ; 71.73,95.12 71.73,94.24 71.62,94.13 v4(71.62,93.7) ; 68.73,95.12 68.73,94.24 68.62,94.13 v4(68.62,93.7)